# Allegro board SDHCalFEB.brd (continued)
## Routing (per net, layer and track width the routed paths; a pad name or vN(x,y) marks a point on that pad's centre or on a via; arc(x,y) is an arc through that point) (continued)
98.7,27.91 ; v1(98.27,27.91) 98.27,27.48 ; v1(98.27,27.91) 98.27,28.35 ; 166.6,23.22 v1(167.03,23.22) ; v1(167.03,23.22) 167.03,23.65 ; v1(167.03,23.22) 167.46,23.22 ; v1(167.03,23.22) 167.03,22.78 ; 171.19,32.38 J30.4 ; J30.4 170.06,33.52 ; J30.4 172.32,33.52 ; J30.4 171.19,34.65 ; 234.37,198.19 C522.2 ; C522.2 237.01,198.19 ; C522.2 235.69,196.99 ; v2(270.18,175.34) 270.18,175.77 ; v2(270.18,175.34) 269.75,175.34 ; v2(270.18,175.34) 270.18,174.9 ; v2(270.18,175.34) 270.61,175.34 ; 97.23,82.5 v2(97.23,82.93) ; v2(97.23,82.93) 97.66,82.93 ; v2(97.23,82.93) 96.8,82.93 ; v2(97.23,82.93) 97.23,83.36 ; v1(363.4,140.36) 363.4,140.79 ; v1(363.4,140.36) 363.83,140.36 ; v1(363.4,140.36) 362.97,140.36 ; v1(363.4,140.36) 363.4,139.93 ; v1(104.06,19.23) 104.5,19.23 ; v1(104.06,19.23) 103.63,19.23 ; v1(104.06,19.23) 104.06,18.8 ; v1(104.06,19.23) 104.06,19.66 ; 317.19,117.75 v2(317.63,117.75) ; v2(317.63,117.75) 317.63,117.32 ; v2(317.63,117.75) 318.06,117.75 ; v2(317.63,117.75) 317.63,118.19 ; v1(178.97,20.68) 178.97,21.11 ; v1(178.97,20.68) 178.54,20.68 ; v1(178.97,20.68) 178.97,20.24 ; v1(178.97,20.68) 179.4,20.68 ; 165.56,24.05 C1448.2 ; C1448.2 164.24,25.25 ; C1448.2 166.88,25.25 ; 337.87,259.54 v2(337.87,259.97) ; v2(337.87,259.97) 338.3,259.97 ; v2(337.87,259.97) 337.44,259.97 ; v2(337.87,259.97) 337.87,260.4 ; J1.5 339.28,318.56 ; J1.5 340.42,317.43 ; J1.5 339.28,316.3 ; J1.5 338.15,317.43 ; 189.51,177.88 v2(189.51,178.31) ; v2(189.51,178.31) 189.08,178.31 ; v2(189.51,178.31) 189.51,178.74 ; v2(189.51,178.31) 189.94,178.31 ; 276.38,182.67 U314.2 ; v2(34.75,253.19) 35.18,253.19 ; v2(34.75,253.19) 34.75,252.75 ; v2(34.75,253.19) 34.31,253.19 ; v2(34.75,253.19) 34.75,253.62 ; v2(39.9,176.61) 39.9,177.04 ; v2(39.9,176.61) 40.34,176.61 ; v2(39.9,176.61) 39.9,176.17 ; v2(39.9,176.61) 39.47,176.61 ; 299.85,350.44 v2(299.85,350.88) ; v2(299.85,350.88) 299.41,350.88 ; v2(299.85,350.88) 300.28,350.88 ; v2(299.85,350.88) 299.85,351.31 ; v2(95.68,115.65) 95.68,116.08 ; v2(95.68,115.65) 96.11,115.65 ; v2(95.68,115.65) 95.25,115.65 ; v2(95.68,115.65) 95.68,115.21 ; 88.49,120.04 v2(88.93,120.04) ; v2(88.93,120.04) 89.36,120.04 ; v2(88.93,120.04) 88.93,120.47 ; v2(88.93,120.04) 88.93,119.61 ; v2(337.16,193.52) 337.16,193.95 ; v2(337.16,193.52) 337.59,193.52 ; v2(337.16,193.52) 336.73,193.52 ; v2(337.16,193.52) 337.16,193.09 ; v1(373.71,94.41) 374.14,94.41 ; v1(373.71,94.41) 373.71,93.98 ; v1(373.71,94.41) 373.71,94.84 ; v1(373.71,94.41) 373.28,94.41 ; J61.3 277.48,176.86 ; J61.3 276.35,175.73 ; J61.3 277.48,174.6 ; J61.3 278.61,175.73 ; v1(351.97,132.89) U1052.13 v1(354.33,132.89) ; v2(176.58,261.75) 177.01,261.75 ; v2(176.58,261.75) 176.58,261.31 ; v2(176.58,261.75) 176.15,261.75 ; v2(176.58,261.75) 176.58,262.18 ; 340,162.66 v2(340.44,162.66) ; v2(340.44,162.66) 340.44,162.23 ; v2(340.44,162.66) 340.44,163.09 ; v2(340.44,162.66) 340.87,162.66 ; v2(269.14,179.2) 269.14,179.63 ; v2(269.14,179.2) 269.57,179.2 ; v2(269.14,179.2) 268.71,179.2 ; v2(269.14,179.2) 269.14,178.76 ; 177.93,194.89 v2(177.93,195.33) ; v2(177.93,195.33) 177.93,195.76 ; v2(177.93,195.33) 177.49,195.33 ; v2(316.74,342.09) 316.74,342.52 ; v2(316.74,342.09) 316.74,341.65 ; v2(316.74,342.09) 316.31,342.09 ; v2(316.74,342.09) 317.17,342.09 ; 103.28,177.82 v2(103.28,178.26) ; v2(103.28,178.26) 103.28,178.69 ; v2(103.28,178.26) 102.84,178.26 ; v2(103.28,178.26) 103.71,178.26 ; 188.7,253.14 v2(188.7,253.57) ; v2(188.7,253.57) 188.7,254 ; v2(188.7,253.57) 189.13,253.57 ; v2(188.7,253.57) 188.26,253.57 ; 25.81,338.99 v2(25.81,339.42) ; v2(25.81,339.42) 25.81,339.85 ; v2(25.81,339.42) 26.24,339.42 ; v2(25.81,339.42) 25.37,339.42 ; v2(314.25,346.51) 314.25,346.94 ; v2(314.25,346.51) 313.82,346.51 ; v2(314.25,346.51) 314.68,346.51 ; v2(314.25,346.51) 314.25,346.07 ; v2(186,95.81) 186.44,95.81 ; v2(186,95.81) 186,95.38 ; v2(186,95.81) 186,96.24 ; v2(186,95.81) 185.57,95.81 ; 97.64,192.2 R1870.1 ; v2(30.96,176.23) 31.39,176.23 ; v2(30.96,176.23) 30.96,176.66 ; v2(30.96,176.23) 30.53,176.23 ; v2(30.96,176.23) 30.96,175.79 ; 108.31,177.82 v2(108.31,178.26) ; v2(108.31,178.26) 107.87,178.26 ; v2(108.31,178.26) 108.31,178.69 ; v2(108.31,178.26) 108.74,178.26 ; 99.5,102.7 v2(99.93,102.7) ; v2(99.93,102.7) 99.93,103.13 ; v2(99.93,102.7) 99.93,102.26 ; v2(28.78,82.83) 28.78,83.26 ; v2(28.78,82.83) 28.78,82.4 ; v2(28.78,82.83) 28.35,82.83 ; v2(28.78,82.83) 29.21,82.83 ; 175.03,118.06 J22.2 ; J22.2 175.03,120.32 ; J22.2 173.9,119.19 ; J22.2 176.16,119.19 ; v2(334.44,251.61) 334.87,251.61 ; v2(334.44,251.61) 334.44,251.18 ; v2(334.44,251.61) 334.01,251.61 ; v2(334.44,251.61) 334.44,252.04 ; 108.19,165.23 C954.2 ; C954.2 109.39,166.55 ; C954.2 109.39,163.91 ; v2(265.07,175.23) 265.07,175.67 ; v2(265.07,175.23) 265.51,175.23 ; v2(265.07,175.23) 265.07,174.8 ; v2(265.07,175.23) 264.64,175.23 ; 174.27,163.45 J21.4 ; J21.4 175.4,164.58 ; J21.4 174.27,165.71 ; 186.54,22 v1(186.54,22.43) ; v1(186.54,22.43) 186.11,22.43 ; v1(186.54,22.43) 186.97,22.43 ; v1(186.54,22.43) 186.54,22.86 ; v2(256.69,255.3) 256.69,255.73 ; v2(256.69,255.3) 257.12,255.3 ; v2(256.69,255.3) 256.26,255.3 ; v2(256.69,255.3) 256.69,254.86 ; 106.35,100.67 J57.2 ; J57.2 107.48,101.8 ; J57.2 107.48,99.54 ; J57.2 108.61,100.67 ; v2(99.91,251.69) 99.91,252.12 ; v2(99.91,251.69) 99.91,251.26 ; v2(99.91,251.69) 99.48,251.69 ; v2(174.9,251.43) 174.9,251.87 ; v2(174.9,251.43) 174.9,251 ; v2(174.9,251.43) 175.34,251.43 ; v2(174.9,251.43) 174.47,251.43 ; U1053.8 v1(348.73,126.37) ; J33.A40 v1(394.88,148.21) ; J21.2 180.15,169.33 ; J21.2 179.02,170.46 ; J21.2 179.02,168.2 ; J21.2 177.88,169.33 ; v2(111.59,258.88) 112.02,258.88 ; v2(111.59,258.88) 111.16,258.88 ; v2(111.59,258.88) 111.59,258.44 ; 252.83,100 v2(253.26,100) ; v2(253.26,100) 253.26,100.43 ; v2(253.26,100) 253.7,100 ; v2(253.26,100) 253.26,99.57 ; 327.77,119.23 v2(327.77,118.8) 328.2,118.8 ; 169.17,277.32 R238.1 168.58,276.76 ; v2(266.78,99.67) 267.21,99.67 ; v2(266.78,99.67) 266.34,99.67 ; v2(266.78,99.67) 266.78,99.24 ; v2(266.78,99.67) 266.78,100.1 ; v2(25.86,333.3) 25.86,333.73 ; v2(25.86,333.3) 26.29,333.3 ; v2(25.86,333.3) 25.42,333.3 ; v2(25.86,333.3) 25.86,332.87 ; v2(111.39,253.7) 111.39,254.13 ; v2(111.39,253.7) 110.96,253.7 ; v2(111.39,253.7) 111.39,253.27 ; 256.24,329.69 v2(256.24,330.12) ; v2(256.24,330.12) 256.67,330.12 ; v2(256.24,330.12) 256.24,330.56 ; v2(256.24,330.12) 255.8,330.12 ; v2(339.75,266.19) 339.75,266.62 ; v2(339.75,266.19) 340.18,266.19 ; v2(339.75,266.19) 339.75,265.76 ; v2(333.01,249.43) 333.44,249.43 ; 92.46,198.53 v2(92.89,198.53) ; v2(92.89,198.53) 93.32,198.53 ; v2(92.89,198.53) 92.89,198.96 ; v2(92.89,198.53) 92.89,198.09 ; C1457.2 372.26,185.9 ; C1457.2 371.07,184.58 ; C1457.2 371.07,187.22 ; 262.97,23.82 v1(262.97,24.26) ; v1(262.97,24.26) 263.4,24.26 ; v1(262.97,24.26) 262.53,24.26 ; v1(262.97,24.26) 262.97,24.69 ; 375.23,110.35 C1463.2 376.24,109.47 ; 356.92,205.92 v1(357.35,205.92) ; v1(357.35,205.92) 357.78,205.92 ; v1(357.35,205.92) 357.35,205.49 ; v1(357.35,205.92) 357.35,206.35 ; v2(110.74,98.43) 111.17,98.43 ; v2(110.74,98.43) 110.31,98.43 ; v2(110.74,98.43) 110.74,98 ; v2(265.07,180.31) 265.51,180.31 ; v2(265.07,180.31) 265.07,179.88 ; v2(265.07,180.31) 264.64,180.31 ; v2(265.07,180.31) 265.07,180.75 ; 336.5,258.72 v2(336.5,258.29) 336.07,258.29 ; 38.2,88.67 v2(38.2,89.1) ; v2(38.2,89.1) 38.2,89.54 ; v2(38.2,89.1) 37.77,89.1 ; v2(38.2,89.1) 38.63,89.1 ; v2(315.09,350.88) 315.52,350.88 ; v2(315.09,350.88) 315.09,350.44 ; v2(315.09,350.88) 314.65,350.88 ; v2(315.09,350.88) 315.09,351.31 ; v2(144.25,337.11) 144.68,337.11 ; v2(144.25,337.11) 143.81,337.11 ; v2(144.25,337.11) 144.25,336.68 ; v2(144.25,337.11) 144.25,337.54 ; 248.75,34 J28.4 ; J28.4 249.88,35.13 ; J28.4 251.01,34 ; J28.4 249.88,32.87 ; 256.19,183.58 C433.2 ; C433.2 257.51,182.38 ; C433.2 258.83,183.58 ; 251.79,114.12 v2(252.22,114.12) ; v2(252.22,114.12) 252.22,114.55 ; v2(252.22,114.12) 252.22,113.69 ; v2(252.22,114.12) 252.65,114.12 ; 97.69,30.81 v2(98.12,30.81) ; v2(98.12,30.81) 98.12,30.38 ; v2(98.12,30.81) 98.55,30.81 ; v2(98.12,30.81) 98.12,31.24 ; 304.91,347.45 J36.5 ; J36.5 306.05,348.58 ; J36.5 304.91,349.71 ; J36.5 303.78,348.58 ; v2(176.58,179.37) 176.58,179.81 ; v2(176.58,179.37) 177.01,179.37 ; v2(176.58,179.37) 176.15,179.37 ; v2(176.58,179.37) 176.58,178.94 ; 271.6,180.48 J61.5 ; J61.5 273.86,180.48 ; J61.5 272.73,179.35 ; J61.5 272.73,181.61 ; 179.4,31.65 v2(179.83,31.65) ; v2(179.83,31.65) 180.26,31.65 ; v2(179.83,31.65) 179.83,32.08 ; v2(179.83,31.65) 179.83,31.22 ; v2(178.16,329.11) 178.59,329.11 ; v2(178.16,329.11) 178.16,328.68 ; v2(178.16,329.11) 177.72,329.11 ; v2(178.16,329.11) 178.16,329.54 ; 92.05,200.23 v2(92.05,200.66) ; v2(92.05,200.66) 92.48,200.66 ; v2(92.05,200.66) 91.62,200.66 ; v2(92.05,200.66) 92.05,201.09 ; 171.78,120.35 v2(172.21,120.35) ; v2(172.21,120.35) 172.64,120.35 ; v2(172.21,120.35) 172.21,120.78 ; v2(172.21,120.35) 172.21,119.91 ; v2(35.23,261.77) 35.23,262.2 ; v2(35.23,261.77) 34.8,261.77 ; v2(35.23,261.77) 35.66,261.77 ; v2(35.23,261.77) 35.23,261.34 ; 178.69,195.91 R1826.1 178.69,194.74 ; v2(315.98,348.39) 315.98,348.82 ; v2(315.98,348.39) 315.98,347.95 ; v2(315.98,348.39) 316.41,348.39 ; v2(315.98,348.39) 315.54,348.39 ; J4.5 252.4,277.6 ; J4.5 251.27,276.47 ; J4.5 251.27,278.73 ; J4.5 250.14,277.6 ; 179.92,262.23 v2(179.92,262.67) ; v2(179.92,262.67) 179.49,262.67 ; v2(179.92,262.67) 179.92,263.1 ; v2(93.32,200.66) 93.32,201.09 ; v2(93.32,200.66) 93.32,200.23 ; v2(93.32,200.66) 92.89,200.66 ; v2(93.32,200.66) 93.75,200.66 ; 95.91,91.39 v2(96.34,91.39) ; v2(96.34,91.39) 96.34,90.96 ; v2(96.34,91.39) 96.77,91.39 ; v2(96.34,91.39) 96.34,91.82 ; v2(177.65,180.34) 177.65,180.77 ; v2(177.65,180.34) 177.65,179.91 ; v2(177.65,180.34) 177.22,180.34 ; v2(177.65,180.34) 178.08,180.34 ; J46.3 179.95,256.54 ; J46.3 181.08,255.41 ; J46.3 178.82,255.41 ; J46.3 179.95,254.28 ; 96.01,180.24 v2(96.44,180.24) ; v2(96.44,180.24) 96.44,179.81 ; v2(96.44,180.24) 96.44,180.67 ; v2(96.44,180.24) 96.88,180.24 ; 23.7,25.55 v1(23.7,25.98) ; v1(23.7,25.98) 23.7,26.42 ; v1(23.7,25.98) 24.13,25.98 ; v1(23.7,25.98) 23.27,25.98 ; 262.1,177.77 v2(262.53,177.77) ; v2(262.53,177.77) 262.97,177.77 ; v2(262.53,177.77) 262.53,178.21 ; v2(262.53,177.77) 262.53,177.34 ; 92.43,113.59 v2(92.43,114.02) ; v2(92.43,114.02) 92,114.02 ; v2(92.43,114.02) 92.43,114.45 ; v2(92.43,114.02) 92.86,114.02 ; 256.54,279.02 v2(256.54,279.45) ; v2(256.54,279.45) 256.54,279.88 ; v2(256.54,279.45) 256.11,279.45 ; v2(256.54,279.45) 256.97,279.45 ; 107.71,261.62 R1634.1 ; J60.4 186.16,255.33 ; J60.4 185.03,254.2 ; J60.4 185.03,256.46 ; J60.4 183.9,255.33 ; v2(187.07,254.63) 187.07,255.07 ; v2(187.07,254.63) 187.5,254.63 ; v2(187.07,254.63) 186.64,254.63 ; v2(187.07,254.63) 187.07,254.2 ; v2(250.32,191.82) 250.75,191.82 ; v2(250.32,191.82) 250.32,191.39 ; v2(250.32,191.82) 249.88,191.82 ; v2(250.32,191.82) 250.32,192.25 ; 27.3,183.01 v2(27.74,183.01) ; v2(27.74,183.01) 27.74,182.57 ; v2(27.74,183.01) 27.74,183.44 ; v2(27.74,183.01) 28.17,183.01 ; 257.4,324.64 v2(257.4,325.07) ; v2(257.4,325.07) 257.4,325.5 ; v2(257.4,325.07) 257.84,325.07 ; v2(257.4,325.07) 256.97,325.07 ; v2(37.39,257.43) 37.82,257.43 ; v2(37.39,257.43) 37.39,257.86 ; v2(37.39,257.43) 36.96,257.43 ; v2(37.39,257.43) 37.39,257 ; v2(104,253.09) 104,253.52 ; J35.B19 v1(391.79,249.05) ; 142.65,342.77 v2(143.08,342.77) ; v2(143.08,342.77) 143.51,342.77 ; v2(143.08,342.77) 143.08,343.21 ; v2(143.08,342.77) 143.08,342.34 ; R1573.1 335.25,271.32 ; R1573.1 334.69,270.73 ; R1573.1 335.8,270.73 ; R1573.1 335.25,270.15 ; v2(102.13,98.86) 102.57,98.86 ; v2(102.13,98.86) 102.13,99.29 ; v2(102.13,98.86) 102.13,98.42 ; v2(102.13,98.86) 101.7,98.86 ; v2(341.1,318.06) 341.1,318.49 ; v2(341.1,318.06) 340.66,318.06 ; v2(341.1,318.06) 341.53,318.06 ; v2(341.1,318.06) 341.1,317.63 ; 320.02,117.93 v2(320.45,117.93) ; v2(320.45,117.93) 320.89,117.93 ; v2(320.45,117.93) 320.45,117.5 ; v2(332.28,32.82) 332.28,33.25 ; v2(332.28,32.82) 331.85,32.82 ; v2(332.28,32.82) 332.28,32.38 ; v2(332.28,32.82) 332.72,32.82 ; 277.93,177.52 v2(277.93,177.95) ; v2(277.93,177.95) 277.93,178.38 ; v2(277.93,177.95) 277.49,177.95 ; v2(277.93,177.95) 278.36,177.95 ; 93.47,199.49 v2(93.9,199.49) ; v2(93.9,199.49) 94.34,199.49 ; v2(93.9,199.49) 93.9,199.92 ; v2(93.9,199.49) 93.9,199.06 ; J33.B19 v1(391.79,121.54) ; v2(182.17,94.97) 182.17,95.4 ; v2(182.17,94.97) 182.6,94.97 ; v2(182.17,94.97) 181.74,94.97 ; v2(182.17,94.97) 182.17,94.54 ; 173.25,199.57 v2(173.69,199.57) ; v2(173.69,199.57) 173.69,200 ; v2(173.69,199.57) 174.12,199.57 ; v2(173.69,199.57) 173.69,199.14 ; v2(27.43,79.12) 27.43,79.55 ; v2(27.43,79.12) 27.86,79.12 ; v2(27.43,79.12) 27.43,78.69 ; v2(27.43,79.12) 27,79.12 ; v1(280.95,350.39) 280.95,350.83 ; v1(280.95,350.39) 280.95,349.96 ; v1(280.95,350.39) 281.38,350.39 ; v1(280.95,350.39) 280.52,350.39 ; 105.43,255.83 v2(105.87,255.83) ; v2(105.87,255.83) 105.87,256.26 ; v2(105.87,255.83) 105.87,255.4 ; v2(105.87,255.83) 106.3,255.83 ; v2(338.38,268.71) 338.38,269.14 ; v2(338.38,268.71) 338.81,268.71 ; v2(338.38,268.71) 338.38,268.27 ; v2(338.38,268.71) 337.95,268.71 ; 174.33,194.2 J14.3 ; J14.3 175.46,195.33 ; J14.3 175.46,193.06 ; J14.3 176.59,194.2 ; 179.35,172.87 v2(179.35,173.3) ; v2(179.35,173.3) 179.35,173.74 ; v2(179.35,173.3) 178.92,173.3 ; v2(179.35,173.3) 179.78,173.3 ; 188.05,165.28 C868.2 ; C868.2 189.25,163.96 ; C868.2 189.25,166.6 ; 329.5,118.88 J18.5 ; J18.5 331.76,118.88 ; J18.5 330.63,117.75 ; 331.75,273.61 v2(332.18,273.61) ; v2(332.18,273.61) 332.61,273.61 ; v2(332.18,273.61) 332.18,274.04 ; v2(332.18,273.61) 332.18,273.18 ; 230.94,351.74 v1(230.94,352.17) ; v1(230.94,352.17) 231.37,352.17 ; v1(230.94,352.17) 230.94,352.6 ; v1(230.94,352.17) 230.5,352.17 ; 175.2,254.28 J46.4 ; J46.4 174.07,255.41 ; J46.4 175.2,256.54 ; J46.4 176.33,255.41 ; 34.7,86.05 v2(34.7,86.49) ; v2(34.7,86.49) 34.26,86.49 ; v2(34.7,86.49) 35.13,86.49 ; v2(34.7,86.49) 34.7,86.92 ; 113.49,259.46 v2(113.92,259.46) ; v2(113.92,259.46) 113.92,259.03 ; v2(113.92,259.46) 113.92,259.89 ; v2(113.92,259.46) 114.35,259.46 ; 223.2,333.2 J37.4 ; J37.4 224.33,334.33 ; J37.4 222.07,334.33 ; J37.4 223.2,335.46 ; 177.09,162.51 v2(177.09,162.94) ; v2(177.09,162.94) 177.09,163.37 ; v2(177.09,162.94) 176.66,162.94 ; v2(177.09,162.94) 177.52,162.94 ; v2(172.16,250.9) 172.59,250.9 ; v2(172.16,250.9) 171.73,250.9 ; v2(172.16,250.9) 172.16,250.47 ; v2(172.16,250.9) 172.16,251.33 ; 334.09,83.01 v2(334.52,83.01) ; v2(334.52,83.01) 334.52,83.44 ; v2(334.52,83.01) 334.52,82.57 ; v2(334.52,83.01) 334.95,83.01 ; v2(259.99,31.47) 260.43,31.47 ; v2(259.99,31.47) 259.99,31.9 ; v2(259.99,31.47) 259.56,31.47 ; v2(259.99,31.47) 259.99,31.04 ; 100,162.2 v2(100.43,162.2) 100.43,162.64 ; 352.37,262.43 v1(352.37,262.86) ; v1(352.37,262.86) 352.37,263.3 ; v1(352.37,262.86) 352.81,262.86 ; v1(352.37,262.86) 351.94,262.86 ; 254.56,91.08 v2(254.99,91.08) ; v2(254.99,91.08) 254.99,91.52 ; v2(254.99,91.08) 255.42,91.08 ; v2(254.99,91.08) 254.99,90.65 ; 101.29,176.96 v2(101.73,176.96) ; v2(101.73,176.96) 101.73,177.39 ; v2(101.73,176.96) 101.73,176.53 ; v2(101.73,176.96) 102.16,176.96 ; 233.25,276.17 v2(233.25,276.61) ; v2(233.25,276.61) 233.68,276.61 ; v2(233.25,276.61) 233.25,277.04 ; v2(233.25,276.61) 232.82,276.61 ; 228.17,337.46 v2(228.6,337.46) ; v2(228.6,337.46) 229.03,337.46 ; v2(228.6,337.46) 228.6,337.9 ; v2(228.6,337.46) 228.6,337.03 ; 97.54,162.59 v2(97.97,162.59) ; v2(97.97,162.59) 98.4,162.59 ; v2(97.97,162.59) 97.97,163.02 ; v2(97.97,162.59) 97.97,162.15 ; 254.32,328.26 J3.5 ; J3.5 254.32,330.52 ; J3.5 255.45,329.39 ; J3.5 253.19,329.39 ; J19.3 260.33,165.32 ; J19.3 259.2,164.19 ; J19.3 259.2,166.45 ; J19.3 258.07,165.32 ; v2(34.42,92.71) 34.85,92.71 ; v2(34.42,92.71) 33.98,92.71 ; v2(34.42,92.71) 34.42,92.28 ; v2(34.42,92.71) 34.42,93.14 ; 96.11,242.8 v2(96.55,242.8) ; v2(96.55,242.8) 96.55,242.37 ; v2(96.55,242.8) 96.98,242.8 ; v2(96.55,242.8) 96.55,243.23 ; J51.5 94.83,180.93 ; J51.5 95.96,179.8 ; J51.5 94.83,178.66 ; J51.5 93.7,179.8 ; 174.05,324.75 J5.4 ; J5.4 175.18,325.88 ; J5.4 176.31,324.75 ; J5.4 175.18,323.62 ; J66.5 34.24,178.42 ; J66.5 33.11,179.55 ; J66.5 33.11,177.29 ; J66.5 31.98,178.42 ; v2(251.66,98.96) 251.66,99.39 ; v2(251.66,98.96) 252.1,98.96 ; v2(251.66,98.96) 251.23,98.96 ; v2(251.66,98.96) 251.66,98.53 ; v2(179.92,251.77) 179.92,252.2 ; v2(179.92,251.77) 179.49,251.77 ; v2(179.92,251.77) 179.92,251.34 ; v2(337.82,180.75) 338.25,180.75 ; v2(337.82,180.75) 337.39,180.75 ; v2(337.82,180.75) 337.82,181.18 ; v2(337.82,180.75) 337.82,180.31 ; 29.49,338.96 v2(29.49,339.39) ; v2(29.49,339.39) 29.49,339.83 ; v2(29.49,339.39) 29.92,339.39 ; v2(29.49,339.39) 29.06,339.39 ; v2(93.93,259.16) 93.93,259.59 ; v2(93.93,259.16) 94.36,259.16 ; v2(93.93,259.16) 93.93,258.72 ; v2(93.93,259.16) 93.5,259.16 ; v2(327.86,41.2) 327.86,41.63 ; v2(327.86,41.2) 327.43,41.2 ; v2(327.86,41.2) 327.86,40.77 ; v2(327.86,41.2) 328.3,41.2 ; v1(21.23,23.5) 21.23,23.93 ; v1(21.23,23.5) 21.23,23.06 ; v1(21.23,23.5) 20.8,23.5 ; v1(21.23,23.5) 21.67,23.5 ; v2(81.15,43) 81.59,43 ; v2(81.15,43) 81.15,43.43 ; v2(81.15,43) 81.15,42.57 ; v2(81.15,43) 80.72,43 ; v2(268.38,325.91) 268.81,325.91 ; v2(268.38,325.91) 268.38,326.34 ; v2(268.38,325.91) 267.94,325.91 ; v2(268.38,325.91) 268.38,325.48 ; v2(36.2,173.41) 36.2,173.84 ; v2(36.2,173.41) 36.63,173.41 ; v2(36.2,173.41) 35.76,173.41 ; v2(36.2,173.41) 36.2,172.97 ; 180.67,171.12 R1953.1 180.67,172.29 ; 343.54,315.39 v2(343.54,315.82) ; v2(343.54,315.82) 343.54,316.26 ; v2(343.54,315.82) 343.97,315.82 ; v2(343.54,315.82) 343.1,315.82 ; 183.11,259.23 v2(183.11,259.66) ; v2(183.11,259.66) 183.11,260.1 ; v2(183.11,259.66) 182.68,259.66 ; v2(183.11,259.66) 183.54,259.66 ; v2(111.1,255.24) 111.53,255.24 ; v2(111.1,255.24) 111.1,255.68 ; v2(111.1,255.24) 110.67,255.24 ; v2(111.1,255.24) 111.1,254.81 ; v2(100.05,96.44) 100.48,96.44 ; v2(100.05,96.44) 100.05,96.01 ; v2(100.05,96.44) 99.62,96.44 ; v2(100.05,96.44) 100.05,96.88 ; 178.94,258.52 v2(179.37,258.52) ; v2(179.37,258.52) 179.37,258.95 ; v2(179.37,258.52) 179.81,258.52 ; v2(179.37,258.52) 179.37,258.09 ; v2(109.5,256.95) 109.5,257.38 ; v2(109.5,256.95) 109.93,256.95 ; v2(109.5,256.95) 109.07,256.95 ; v2(109.5,256.95) 109.5,256.51 ; 30.71,269.54 v2(30.71,269.98) ; v2(30.71,269.98) 30.28,269.98 ; v2(30.71,269.98) 31.14,269.98 ; v2(30.71,269.98) 30.71,270.41 ; v2(168.94,192.46) 168.94,192.89 ; v2(168.94,192.46) 168.5,192.46 ; v2(168.94,192.46) 169.37,192.46 ; v2(168.94,192.46) 168.94,192.02 ; 231.42,118.71 C854.1 ; 294.5,347.73 J40.5 ; J40.5 293.37,348.86 ; J40.5 294.5,349.99 ; J40.5 295.63,348.86 ; v1(150.95,345.47) 150.95,345.9 ; v1(150.95,345.47) 150.95,345.03 ; v1(150.95,345.47) 150.52,345.47 ; v1(150.95,345.47) 151.38,345.47 ; v2(246.89,40.89) 246.89,41.33 ; v2(246.89,40.89) 246.89,40.46 ; v2(246.89,40.89) 246.46,40.89 ; v2(246.89,40.89) 247.32,40.89 ; 112.8,98.55 v2(112.8,98.98) ; v2(112.8,98.98) 112.37,98.98 ; v2(112.8,98.98) 113.23,98.98 ; v2(112.8,98.98) 112.8,99.42 ; J23.4 95.16,164.73 ; J23.4 94.03,163.6 ; J23.4 94.03,165.86 ; v2(96.75,244.47) 96.75,244.91 ; v2(96.75,244.47) 97.18,244.47 ; v2(96.75,244.47) 96.75,244.04 ; v2(96.75,244.47) 96.32,244.47 ; 104.93,25.63 v1(105.36,25.63) ; v1(105.36,25.63) 105.36,25.2 ; v1(105.36,25.63) 105.79,25.63 ; v1(105.36,25.63) 105.36,26.06 ; v1(102.31,24.38) 102.31,24.82 ; v1(102.31,24.38) 101.88,24.38 ; v1(102.31,24.38) 102.74,24.38 ; v1(102.31,24.38) 102.31,23.95 ; v2(91.34,273.02) 91.77,273.02 ; v2(91.34,273.02) 90.91,273.02 ; v2(91.34,273.02) 91.34,273.46 ; v2(91.34,273.02) 91.34,272.59 ; 259.51,349.83 v1(259.94,349.83) ; v1(259.94,349.83) 259.94,349.4 ; v1(259.94,349.83) 259.94,350.27 ; v1(259.94,349.83) 260.38,349.83 ; 182.68,347.85 v1(183.11,347.85) ; v1(183.11,347.85) 183.11,347.42 ; v1(183.11,347.85) 183.54,347.85 ; v1(183.11,347.85) 183.11,348.29 ; 366.17,109.45 v2(366.17,109.88) ; v2(366.17,109.88) 365.73,109.88 ; v2(366.17,109.88) 366.6,109.88 ; v2(366.17,109.88) 366.17,110.31 ; 253.34,112.75 v2(253.34,113.18) ; v2(253.34,113.18) 253.34,113.61